# Altium PCB Rev1.1.PcbDoc
Units mm, origin at the board's own origin, x right, y up, seen from the top; angles counter-clockwise.
Board outline 70 x 50 mm, 2 copper layers (Top Layer, Bottom Layer); 47 components, 38 nets, 194 pads, 16 vias.
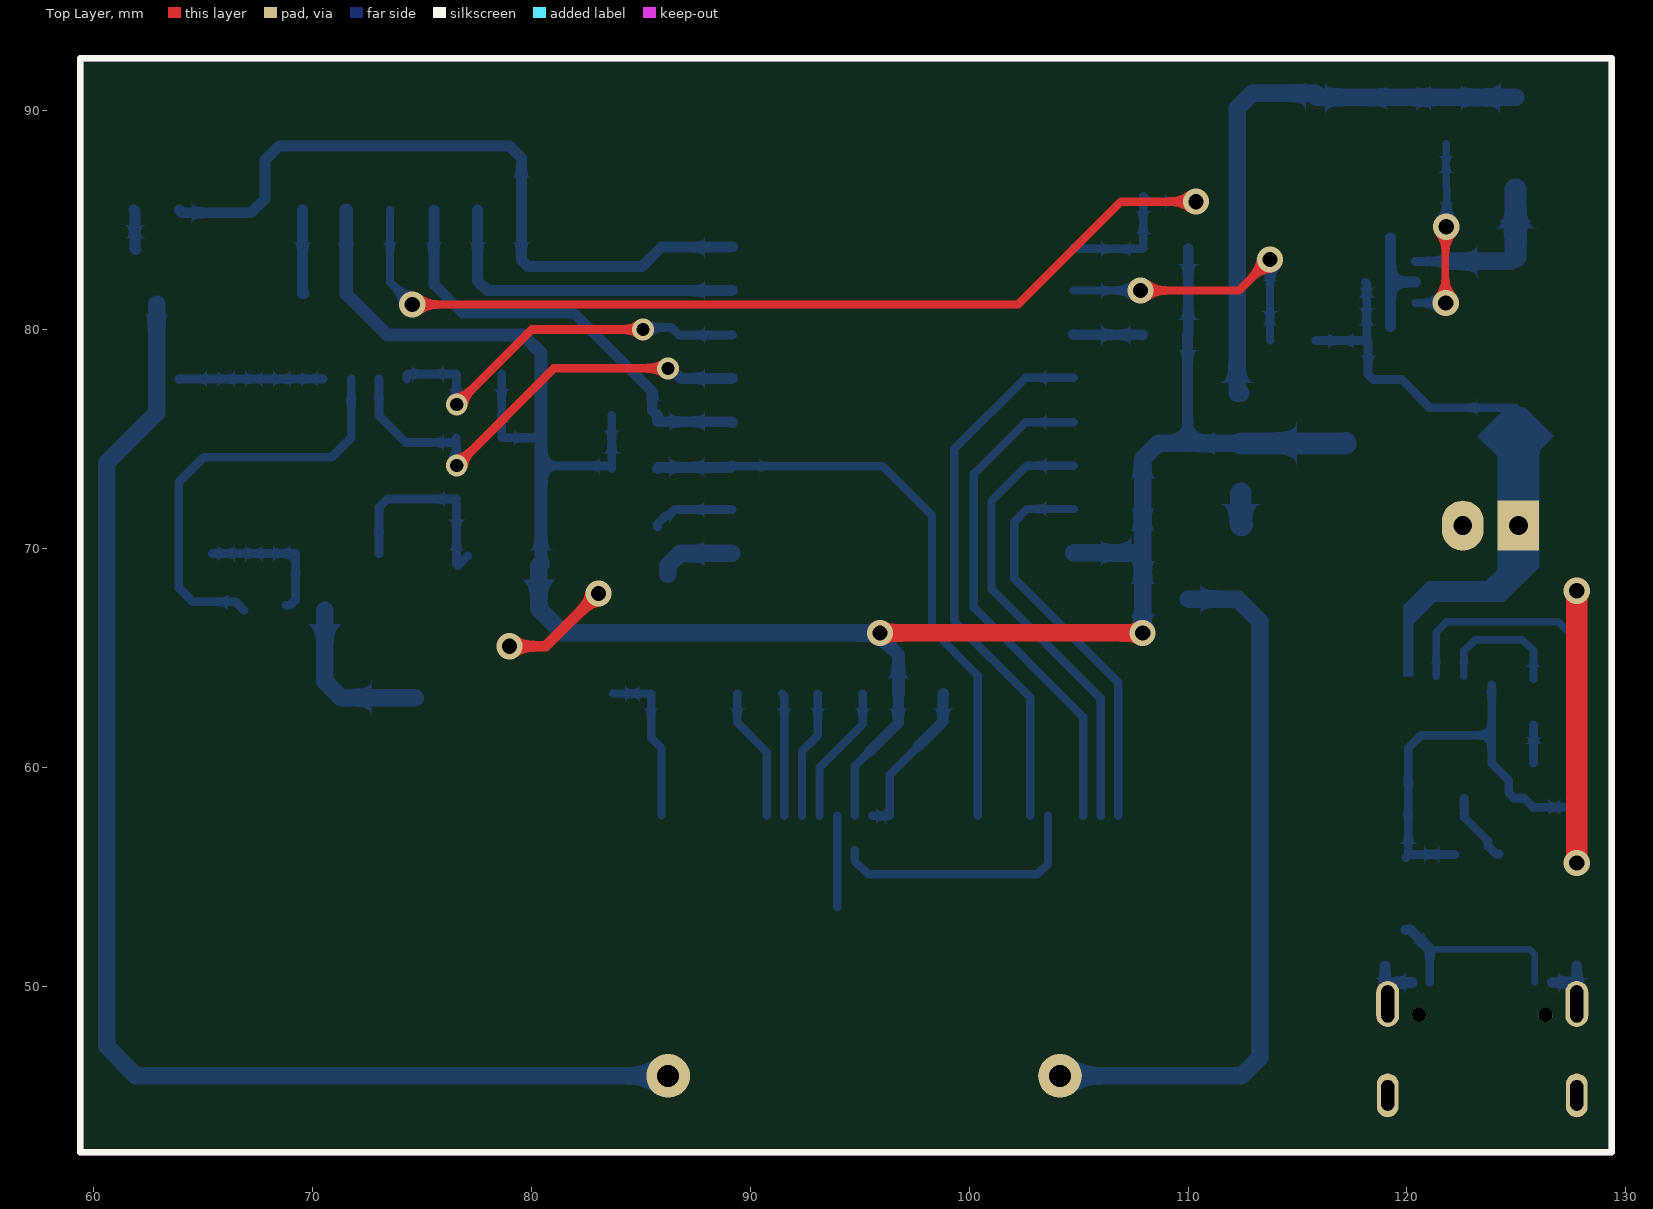
[diagram p0: Top Layer view]
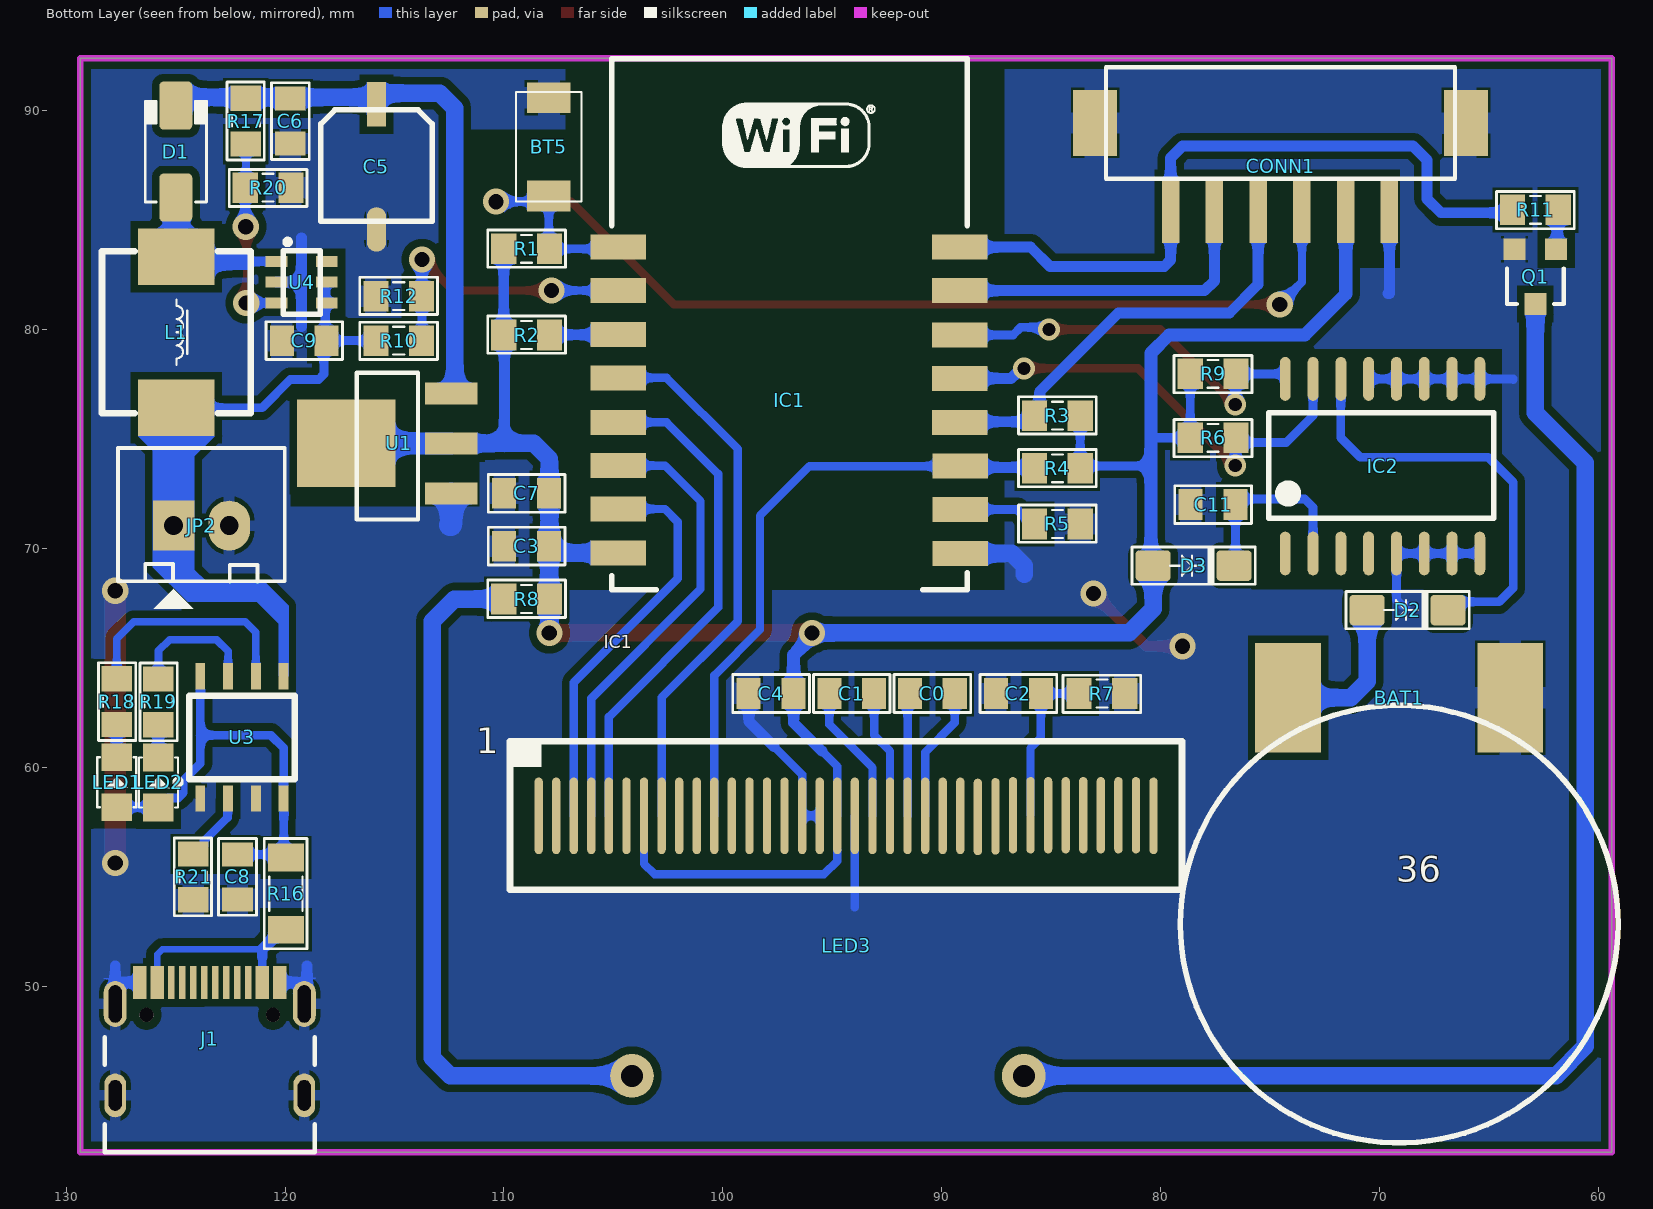
[diagram p1: Bottom Layer view, seen from below]
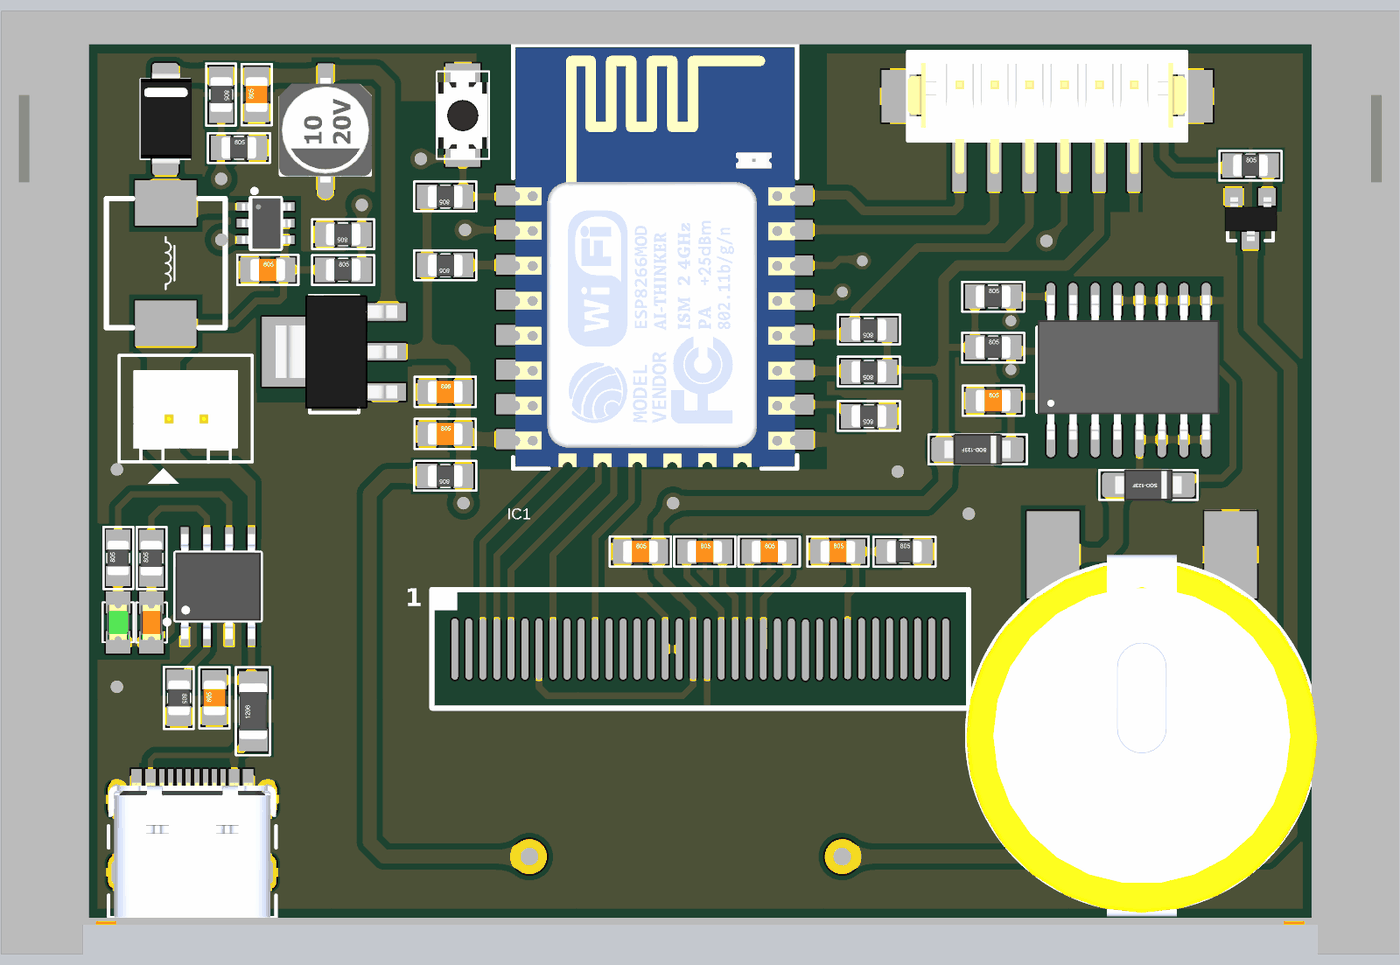
[diagram p2: 3D render of the assembled board from below, using the file's embedded part models]

## Layer stack, top to bottom
Top Solder: solder mask 0.0102, Solder Resist, Dk 3.5
Top Layer: signal copper 0.0356
Dielectric 1: dielectric 0.32, FR-4, Dk 4.8
Bottom Layer: signal copper 0.0356
Bottom Solder: solder mask 0.0102, Solder Resist, Dk 3.5

## Board outline
59.369,42.411 129.369,42.411 129.369,92.411 59.369,92.411

## Design rules (kind name [scope] priority, off if disabled: settings)
Clearance [All] p1: gap=0.35 ignorepadtopadclearanceinfootprint=FALSE
PolygonConnect [All] p1: thpad.connectstyle=Relief thpad.reliefconductorwidth=0.5 thpad.reliefentries=4 thpad.polygonreliefangle="90 Angle" thpad.airgapwidth=0.2 smdpad.connectstyle=Relief smdpad.reliefconductorwidth=1 smdpad.reliefentries=4 smdpad.polygonreliefangle="90 Angle" smdpad.airgapwidth=0.1 via.connectstyle=Direct via.reliefconductorwidth=0.254 via.reliefentries=4 via.polygonreliefangle="90 Angle" via.airgapwidth=0.254
RoutingVias [All] p1: holewidth=0.711 width=1.27 viastyle="Through Hole" minholewidth=0.711 minwidth=1.27 maxholewidth=0.711 maxwidth=1.27
SolderMaskExpansion [All] p1: expansion=0.102 istentingtop=FALSE
Width [All] p1: maxlimit=5 minlimit=0.3 preferedwidth=0.381
30 further rules are at their usual default settings.

## Components (designator, comment, footprint, x,y, rotation, side; value= is the part's Value field where it differs from the comment)
BAT1 "CR2032" CR2032_SMD 69.088,52.832 r270 bottom
BT5 "BUTTON1" "SW-SMD - 3x4x2" 107.95,88.356 r270 bottom value=1N4007
C0 "1uF" CN-SMD-0805 90.424,63.373 r180 bottom value=0,1uF/300V
C1 "1uF" CN-SMD-0805 94.107,63.373 r180 bottom value=0,1uF/300V
C2 "10nF" CN-SMD-0805 86.487,63.373 r180 bottom value=0,1uF/300V
C3 "0.1uF" CN-SMD-0805 108.966,70.104 r180 bottom value=0,1uF/300V
C4 "1uF" CN-SMD-0805 97.79,63.373 r180 bottom value=0,1uF/300V
C5 "10uF" "cap_A_SMD 10uF/16V" 117.729,85.344 r180 bottom
C6 "1uF" CN-SMD-0805 119.761,89.535 r90 bottom value=0,1uF/300V
C7 "1uF" CN-SMD-0805 108.966,72.517 r180 bottom value=0,1uF/300V
C8 "1uF" CN-SMD-0805 122.174,54.991 r90 bottom value=0,1uF/300V
C9 "1uF" CN-SMD-0805 119.126,79.502 r180 bottom value=0,1uF/300V
C11 "0.1uF" CN-SMD-0805 77.597,72.009 r180 bottom value=0,1uF/300V
CONN1 "CONNECTOR 6P" JST-PH2.0_6P 69.533,85.471 r0 bottom
D1 "SS34" DO-214AC(SMA) 124.993,88.138 r90 bottom value=1N4007
D2 "" SOD123 68.707,67.183 r0 bottom value=1N5007
D3 "" SOD123 78.486,69.215 r0 bottom value=1N5007
IC1 "ESP8266 ESP-12-E" "ESP8266 ESP-12-E" 88.189,67.361 r180 bottom
IC2 "DS3231" SO-16 69.85,73.914 r180 bottom
J1 "USB4110-GF-A_REVB" GCT_USB4105-GF-A 123.444,48.184 r180 bottom
JP2 "BAT" CON2 125.095,71.044 r180 bottom value="Connector 2"
L1 "2.2uH" L-SMD-06030-7.4x6.6X3 124.968,79.883 r0 bottom value="150 mH"
LED1 "GREEN" SM-LED-0805-Green 127.693,59.319 r90 bottom
LED2 "RED" SM-LED-0805-Red 125.788,59.309 r90 bottom
LED3 "UC1601_12864" UC1601_LCD 94.369,54.411 r0 top locked
Q1 "C1815" SOT23B 62.865,82.423 r0 bottom
R1 "10k" RES-SMD-0805 108.966,83.693 r0 bottom
R2 "10k" RES-SMD-0805 108.966,79.756 r0 bottom
R3 "10K" RES-SMD-0805 84.709,76.073 r0 bottom
R4 "10K" RES-SMD-0805 84.709,73.66 r0 bottom
R5 "10K" RES-SMD-0805 84.709,71.12 r0 bottom
R6 "3.3K" RES-SMD-0805 77.597,75.057 r180 bottom
R7 "220K" RES-SMD-0805 82.677,63.373 r180 bottom
R8 "10R" RES-SMD-0805 108.966,67.691 r0 bottom
R9 "3.3K" RES-SMD-0805 77.597,77.978 r180 bottom
R10 "10K" RES-SMD-0805 114.808,79.502 r180 bottom
R11 "3.3K" RES-SMD-0805 62.865,85.471 r180 bottom
R12 "1K" RES-SMD-0805 114.808,81.534 r0 bottom
R16 "0.04R" RES-SMD-1206 119.964,54.229 r90 bottom
R17 "1.2K" RES-SMD-0805 121.793,89.535 r270 bottom
R18 "1K" RES-SMD-0805 127.693,63.002 r90 bottom
R19 "1K" RES-SMD-0805 125.788,62.992 r90 bottom
R20 "1.2K" RES-SMD-0805 120.777,86.487 r180 bottom
R21 "1.2K" RES-SMD-0805 124.206,54.991 r270 bottom
U1 "AMS1117-5V/3.3V" SOT-223 114.808,74.803 r90 bottom
U3 "TP4056" SOP-8 121.971,61.366 r90 bottom
U4 "MT3068" SOT23-6 120.396,83.119 r180 bottom

## Footprints (in the part's own frame and the unit in brackets; to place one, negate y for a bottom-side part, rotate by r counter-clockwise, add the part's x,y. Pads: shape width x height; smd on the part's side, far side on the other; paste and mask are expansions set on the pad)
"cap_A_SMD 10uF/16V" [mil]
  rect 35x80 smd: 1(75,195)
  oval 35x80 smd: 2(75,-30)
  silkscreen extent -25,-15 175,185, body extent -29,-33 179,203, height 232
CN-SMD-0805 [mm]
  rect 1.1x1.4 smd: 1(-1.025,0) 2(1.025,0)
  silkscreen extent -1.75,-0.86 1.75,0.86, body extent -1,-0.63 1,0.62, height 0.8
CON2 [mil] "CON2"
  rect 75x90 hole 34: 1(0,0)
  oval 75x90 hole 34: 2(100,0)
  silkscreen extent -100,-150 200,140, body extent -68,-70 168,107, height 236
CR2032_SMD [mm]
  rect 5x3 smd: 1(-10.35,-5.08) 2(-10.35,5.08)
  silkscreen extent -10,-10 10,10, body extent -10.35,-10.05 10.35,10.05, height 6.3
DO-214AC(SMA) [mm]
  round 0.508 on Mech15: 0(0,0)
  rrect25% 2.2x1.5 smd: 1(-2.1,0) 2(2.1,0)
  silkscreen extent -2.3,-1.4 2.3,1.4, body extent -2.61,-1.5 2.67,1.42, height 2.41
"ESP8266 ESP-12-E" [mil] "ESP8266 ESP-12-E"
  rect 100x45 smd: 1(-653,646) 2(-653,568) 3(-653,489) 4(-653,411) 5(-653,331) 6(-653,253) 7(-653,175) 8(-653,96) 15(-38,95) 16(-38,174) 17(-38,252) 18(-39,331) 19(-39,410) 20(-39,488) 21(-39,568) 22(-39,646)
  silkscreen extent -665,30 -25,985, body extent -660,33 -30,979, height 150
GCT_USB4105-GF-A [mm]
  rect 0.6x1.5 smd: A1/B12(-3.2,1.986) A4/B9(-2.4,1.986) B1/A12(3.2,1.986) B4/A9(2.4,1.986)
  rect 0.3x1.5 smd: A5(-1.25,1.986) A6(-0.25,1.986) A7(0.25,1.986) A8(1.25,1.986) B5(1.75,1.986) B6(0.75,1.986) B7(-0.75,1.986) B8(-1.75,1.986)
  oval 1.05x2.1 hole 0.6 slot 1.7 at 90 deg: S1(-4.32,1.005) S4(4.32,1.005)
  oval 1x2 hole 0.6 slot 1.4 at 90 deg: S2(-4.32,-3.175) S3(4.32,-3.175)
  round 0.65 hole 0.65 unplated: ""(-2.89,0.505) ""(2.89,0.505)
  silkscreen extent -4.79,-5.77 4.79,-0.53, body extent -4.79,-5.76 4.79,1.95, height 3.31
JST-PH2.0_6P [mm]
  rect 0.8x3 smd: 1(0,0) 2(2,0) 3(4,0) 4(6,0) 5(8,0) 6(10,0)
  rect 2x3 smd: 7(-3.497,-3.975) 7(13.453,-3.975)
  silkscreen extent -3,-6.53 12.95,-1.42, body extent -3,-6.53 12.95,0.47, height 6.73
L-SMD-06030-7.4x6.6X3 [mm]
  rect 3.5x2.6 smd: 1(0,3.45) 2(0,-3.45)
  silkscreen extent -3.4,-3.7 3.4,3.7, body extent -3.4,-4.1 3.4,4.1, height 3
RES-SMD-0805 [mm]
  rect 1.15x1.397 smd: 1(-1.043,0) 2(1.043,0)
  silkscreen extent -1.78,-0.86 1.78,0.84, body extent -1,-0.62 1,0.63, height 0.8
RES-SMD-1206 [mil]
  rect 50x65 smd: 1(-65,0) 2(65,0)
  silkscreen extent -99,-38 99,39, body extent -63,-31 63,32, height 40
SM-LED-0805-Green [mil]
  rect 50x55 smd: 1(-45,0) 2(45,0)
  silkscreen extent -45,-35 45,35, body extent -40,-25 40,25, height 43
SM-LED-0805-Red [mil]
  rect 50x55 smd: 1(-45,0) 2(45,0)
  silkscreen extent -45,-35 45,35, body extent -40,-25 40,25, height 43
SO-16 [mm]
  oval 0.5x2 smd: 1(-4.445,-4.14) 2(-3.175,-4.14) 3(-1.905,-4.14) 4(-0.635,-4.14) 5(0.635,-4.14) 6(1.905,-4.14) 7(3.175,-4.14) 8(4.445,-4.14) 9(4.445,3.835) 10(3.175,3.835) 11(1.905,3.835) 12(0.635,3.835) 13(-0.635,3.835) 14(-1.905,3.835) 15(-3.175,3.835) 16(-4.445,3.835)
  silkscreen extent -5.21,-2.54 5.08,2.29, body extent -5.21,-4.13 5.21,4.13, height 2.03
SOD123 [mm] "SOD-123; 2 Leads; Body 2.7 x 1.6 mm, (LxW)"
  rrect25% 1.6x1.4 smd: A(1.85,0) K(-1.85,0)
  silkscreen extent -2.82,-0.85 2.82,0.85, body extent -1.9,-0.9 1.9,0.9, height 1.02
SOP-8 [mm]
  rect 1.2x0.45 smd: 1(-2.794,1.905) 2(-2.794,0.635) 3(-2.794,-0.635) 4(-2.794,-1.905) 5(2.794,-1.905) 6(2.794,-0.635) 7(2.794,0.635) 8(2.794,1.905)
  silkscreen extent -2.16,-2.41 1.91,3.05, body extent -3,-2.45 3,2.45, height 1.75
SOT23-6 [mm]
  rect 1x0.5 smd: 1(0,0) 2(0,-0.95) 3(0,-1.9) 4(2.3,-1.9) 5(2.3,-0.95) 6(2.3,0)
  silkscreen extent 0.3,-2.41 2.01,1, body extent -0.2,-2.42 2.59,0.48, height 1.1
SOT23B [mm] "SOT 23B"
  rect 1x1 smd: 1(-0.95,-1.25) 2(0.95,-1.25) 3(0,1.25)
  silkscreen extent -1.3,-0.38 1.3,1.25, body extent -1.52,-1.23 1.48,1.27, height 1.06
SOT-223 [mm]
  rect 1x2.4 smd: 1(-2.286,-2.4) 2(0,-2.4) 3(2.286,-2.4)
  rect 4x4.5 smd: 2(0.014,2.4)
  silkscreen extent -3.48,-0.88 3.22,1.92, body extent -3.25,-3.09 3.25,3.87, height 1.66
"SW-SMD - 3x4x2" [mm] "Switch SMD type"
  rect 1.4x2 smd: 1(-2.25,0) 2(2.25,0)
  silkscreen extent -2.5,-1.5 2.5,1.5, body extent -2.48,-1.48 2.52,1.42, height 2
UC1601_LCD [mm]
  oval 0.38x3.5 smd far side: 3(12.44,3.374) 4(11.638,3.374) 5(10.835,3.374) 6(10.032,3.374) 7(9.229,3.374) 8(8.426,3.374) 11(6.018,3.374) 16(2.003,3.374) 17(1.201,3.374) 18(0.398,3.374) 19(-0.405,3.374) 20(-1.208,3.374) 21(-2.011,3.374) 22(-2.814,3.374) 23(-3.617,3.374) 29(-8.434,3.4) N/C(-14.054,3.374) N/C(-13.251,3.4) N/C(-12.448,3.4) N/C(-11.645,3.4) N/C(-10.842,3.4) N/C(-10.039,3.4) N/C(-9.237,3.4) N/C(-7.631,3.4) N/C(-6.828,3.349) N/C(-6.025,3.324) N/C(-5.222,3.374) N/C(-4.419,3.374) N/C(2.806,3.374) N/C(3.609,3.374) N/C(4.412,3.374) N/C(5.215,3.374) N/C(6.82,3.374) N/C(7.623,3.374) N/C(13.243,3.374) N/C(14.046,3.374)
  round 2 hole 1: A(9.779,-8.509) K(-8.128,-8.509)
  silkscreen extent -35,-12 35,38, body extent -40,-14.1 40,39.9, height 9.1

## Part data
C0 C1 C2 C3 C4 C6 C7 C8 C9 C11: library part "CAP SMD", "CAP SMD", Designed by=VanDungEvn
C5: library part CAP_Radial1, "CAP_Radial1"
D1: library part "Diode  Schottky", "Diode  Schottky"
D2 D3: library part "Diode-1N4007 -A4", "Default Diode", Code - JEDEC=DO-214-AB, Published=8-Jun-2000, Publisher="Altium Limited", Revision="July-2002: Re-released for DXP Platform."
J1: "USB-C (USB TYPE-C) USB 2.0 Receptacle Connector 24 (16+8 Dummy) Position Surface Mount, Right Angle; Through Hole", Package=None, Availability=Warning, Check_prices=https://www.snapeda.com/parts/USB4110-GF-A/Global%20Connector%20Technology/view-part/4001167/?ref=eda, MF=GCT, MP=USB4110-GF-A, Price=None, Purchase-URL=https://pricing.snapeda.com/search/part/USB4110-GF-A/?ref=eda, SnapEDA_Link=https://www.snapeda.com/parts/USB4110-GF-A/Global%20Connector%20Technology/view-part/4001167/?ref=snap
JP2: library part Con2, "Connector 2"
L1: library part inductor-SMD, "inductor-SMD"
LED1 LED2: library part LED-SMD-0805
Q1: "NPN 600mW, ECB,"
R1 R2 R3 R4 R5 R6 R7 R8 R9 R10 R11 R12 R16 R17 R18 R19 R20 R21: library part Res-SMD, "Resistor", Manufacturer="Generic Components", Class=Passive, Published=08/06/2000, Publisher="Altium Hobart Technology Centre"
U1: "IC on ap 5V/3.3V"

## Via types
v1: diameter 1.2, hole 0.7, Top Layer to Bottom Layer, tented both sides, 12 vias
v2: diameter 1, hole 0.6, Top Layer to Bottom Layer, tented both sides, 4 vias

## Nets (pads, with @x,y where several pads share a name; then routed paths per layer and width w, separated by ;. In a path a pad name is that pad's centre, name@x,y a point inside that pad or via, vN(x,y) a via of type N, cw(c..) or ccw(c..) an arc to the next point about the centre after c; other vN are vias at no path point)
+3.3V: C3.2 C4.2 C7.2 CONN1.2 D3.A IC1.8 LED3.7 LED3.18 R1.2 R2.2 R3.1 R4.1 R6.1 R8.1 R9.1 U1.2 | length 115.2
  Top Layer w0.8: v1(95.921,66.14) v1(107.923,66.14)
  Bottom Layer w0.381: LED3.18@94.766,56.226 94.766,55.723 95.371,55.118 103.123,55.118 103.598,55.593 LED3.7 ; LED3.18 94.766,60.04 95.475,60.748
  Bottom Layer w0.4: R9.1 R6.1 80.434,75.057 80.434,75.033 ; 80.434,73.772 83.554,73.772 R4.1 R3.1
  Bottom Layer w0.5: 95.475,60.748 96.765,62.038 C4.2 ; 109.982,74.803 109.982,79.729 R2.2 R1.2
  Bottom Layer w0.6: CONN1.2 71.533,81.629 73.406,79.756 79.609,79.756 80.434,78.93 80.434,75.057 ; D3.A@80.434,69.314 80.434,73.772 80.434,75.033 ; v1(95.921,66.14) 95.921,65.978 96.765,65.134 C4.2
  Bottom Layer w0.8: D3.A@80.434,69.314 D3.A 80.336,67.238 81.434,66.14 v1(95.921,66.14) ; IC1.8 107.636,69.799 107.641,69.804 107.791,69.804 C3.2@107.932,69.945 ; v1(107.923,66.14) R8.1 107.932,67.7 C3.2@107.932,69.945 ; U1.2@112.408,74.803 109.982,74.803 108.636,74.803 107.925,74.092 107.925,70.12 C3.2 107.941,69.954 C3.2@107.932,69.945
  Bottom Layer w1: U1.2@112.408,74.803 117.194,74.803 U1.2@117.208,74.817
+5V: J1.A4/B9 J1.B4/A9 R16.1 | length 9.1
  Bottom Layer w0.3: 121.044,51.689 125.603,51.689 125.844,51.448 J1.A4/B9
  Bottom Layer w0.381: J1.B4/A9 121.044,51.328
  Bottom Layer w0.5: R16.1 120.155,52.578 121.044,51.689 121.044,51.328
ADC_BAT: IC1.2 R10.2 R12.1 | length 13.4
  Top Layer w0.381: v1(107.83,81.788) 112.319,81.788 v1(113.741,83.21)
  Bottom Layer w0.381: IC1.2 v1(107.83,81.788) v1@107.975,81.788 ; v1(113.741,83.21) 113.741,79.526 R10.2
BOOT: CONN1.4 IC1.18 R3.2 | length 20.3
  Bottom Layer w0.5: CONN1.4 75.533,82.074 76.835,80.772 81.915,80.772 85.516,77.171 85.516,76.309 R3.2 85.752,75.819 85.777,75.794 89.154,75.794 IC1.18
CLK: IC1.4 LED3.8 | length 25
  Bottom Layer w0.381: LED3.8 102.795,63.194 99.314,66.675 99.314,74.549 102.565,77.8 IC1.4
CS: IC1.7 LED3.3 | length 18.4
  Bottom Layer w0.381: IC1.7 102.641,71.806 102.057,71.222 102.057,68.631 106.809,63.879 LED3.3
DAT: IC1.17 LED3.11 R4.2 | length 28.1
  Bottom Layer w0.381: IC1.17 96.037,73.762 98.298,71.501 98.298,66.294 100.386,64.206 LED3.11
  Bottom Layer w0.5: R4.2 85.803,73.711 89.103,73.711 IC1.17
DC: IC1.5 LED3.5 | length 23.2
  Bottom Layer w0.381: IC1.5 102.565,75.768 100.208,73.411 100.208,67.305 105.204,62.309 LED3.5
GND: BAT1.2 BT5.1 C2.1 C3.1 C4.1 C5.2 C6.1 C7.1 C8.1 C9.1 C11.1 CONN1.1 CONN1.7 IC1.15 IC2.5 IC2.6 IC2.7 IC2.8 IC2.9 IC2.10 IC2.11 IC2.12 IC2.13 J1.A1/B12 J1.B1/A12 J1.S1 J1.S2 J1.S3 J1.S4 JP2.2 LED3.16 LED3.17 LED3.19 Q1.2 R5.1 R7.2 R12.2 R20.2 R21.2 U1.1 U3.1 U3.3 U4.2 | length 60.2
  Top Layer w0.5: v1(78.994,65.532) 80.645,65.532 v1(83.058,67.945)
  Top Layer w1: v1(127.762,55.626) v1(127.762,68.072)
  Bottom Layer w0.381: LED3.19 93.964,53.61 93.98,53.594 ; LED3.17 LED3.16 96.372,59.669 97.663,60.96
  Bottom Layer w0.4: 63.881,77.724 63.881,77.749 IC2.9 IC2.10 IC2.11 IC2.12 IC2.13 ; IC2.8 IC2.7 IC2.6 IC2.5 69.215,68.016 69.207,68.008 69.207,67.646 68.973,67.412 68.783,67.412
  Bottom Layer w0.5: CONN1.1 69.533,81.661 69.596,81.661 ; 97.663,60.96 98.804,62.101 98.804,63.361 C4.1 ; 118.999,50.927 118.999,50.17 J1.B1/A12 ; 119.253,80.137 119.253,82.169 ; 119.253,84.201 119.253,82.169 ; U4.2 119.253,82.169 ; J1.A1/B12 127.762,50.17 127.762,50.927
  Bottom Layer w0.8: 86.233,68.834 86.233,69.211 86.796,69.774 IC1.15
  Bottom Layer w1: U1.1 112.408,71.076 112.475,71.076
LED_PWM: CONN1.6 IC1.22 R11.1 | length 33
  Bottom Layer w0.5: R11.1 64.035,85.344 67.183,85.344 67.818,85.979 67.818,87.757 68.453,88.392 78.994,88.392 79.533,87.853 CONN1.6 79.533,83.176 79.826,82.883 85.042,82.883 85.928,83.769 IC1.22
LED_SCR: LED3.K Q1.3 | length 61.1
  Bottom Layer w0.8: Q1.3 62.865,76.2 60.579,73.914 60.579,47.244 61.921,45.902 LED3.K
NetBAT1_1: BAT1.1 D2.A | length 7.7
  Bottom Layer w0.8: D2.A 70.557,63.936 71.311,63.182 BAT1.1@74.676,63.182
NetC0_1: C0.1 LED3.22 | length 5.6
  Bottom Layer w0.381: C0.1 91.555,63.268 LED3.22
NetC0_2: C0.2 LED3.23 | length 6.1
  Bottom Layer w0.381: C0.2 89.399,62.039 90.752,60.685 LED3.23
NetC1_1: C1.1 LED3.20 | length 6.4
  Bottom Layer w0.381: LED3.20 93.161,59.984 95.132,61.956 C1.1
NetC1_2: C1.2 LED3.21 | length 5.9
  Bottom Layer w0.381: LED3.21 92.358,60.742 93.082,61.466 C1.2
NetC2_2: C2.2 LED3.29 R7.1 | length 7.5
  Bottom Layer w0.381: R7.1 C2.2 85.462,61.353 85.935,60.88 LED3.29
NetC5_1: C5.1 C6.2 D1.2 R17.1 U1.3 | length 26.1
  Bottom Layer w0.8: U1.3 112.243,77.089 112.243,90.119 112.928,90.805 C5.1@115.824,90.805 ; C5.1@115.88,90.619 D1.2@124.968,90.619
NetC8_2: C8.2 LED1.1 LED2.1 R16.2 U3.4 U3.8 | length 19.8
  Bottom Layer w0.4: R16.2 R16.2@120.066,55.982 ; C8.2 120.101,56.016 R16.2@120.066,55.982 ; U3.8@123.876,63.779 123.876,61.468 ; LED1.1 125.788,58.176 LED2.1 125.353,58.601 124.885,58.601 124.651,58.835 124.651,59.4 123.876,60.175 123.876,61.468 ; R16.2@120.066,55.982 U3.4 120.066,60.884 120.65,61.468 123.876,61.468
NetC11_2: C11.2 D3.K IC2.2 | length 9.3
  Bottom Layer w0.4: IC2.2@73.011,69.76 IC2.2 73.025,71.882 73.406,72.263 C11.2@76.572,72.263 ; C11.2 76.572,69.279 D3.K D3.K@77.075,69.654
NetD1_A: D1.1 L1.2 U4.1 | length 7.7
  Bottom Layer w0.4: U4.1 121.799,83.119
  Bottom Layer w0.8: 121.799,83.119 124.754,83.119 L1.2
  Bottom Layer w1: L1.2 D1.1@124.968,86.419
NetD2_K: D2.K IC2.14 | length 19.6
  Bottom Layer w0.4: D2.K 66.476,67.564 64.516,67.564 63.881,68.199 63.881,73.025 65.024,74.168 70.866,74.168 71.755,75.057 IC2.14
NetIC1_3: IC1.3 R2.1 | length 3.2
  Bottom Layer w0.5: IC1.3 104.788,79.769 107.91,79.769 R2.1
NetIC1_16: IC1.16 R5.2 | length 3.8
  Bottom Layer w0.4: R5.2@85.752,70.993 85.752,71.116 86.127,71.492 86.25,71.492 86.539,71.78 IC1.16
NetLED1_2: LED1.2 R18.1 | length 1.8
  Bottom Layer w0.4: LED1.2@127.693,60.208 R18.1
NetLED2_2: LED2.2 R19.1 | length 1.8
  Bottom Layer w0.4: LED2.2@125.788,60.198 R19.1
NetLED3_A: LED3.A R8.2 | length 33.1
  Bottom Layer w0.8: LED3.A 112.45,45.902 113.284,46.736 113.284,66.675 112.268,67.691 R8.2
NetQ1_3: Q1.1 R11.2 | length 1.8
  Bottom Layer w0.5: R11.2 61.869,85.425 61.869,83.719 Q1.1
NetR17_2: R17.2 R20.1 U4.3 | length 8.4
  Top Layer w0.35: v1@121.727,81.219 121.76,81.252 121.76,84.676 v1(121.793,84.709)
  Bottom Layer w0.35: U4.3 v1@121.727,81.219 ; R17.2 121.793,86.514 R20.1 v1@121.82,84.99
  other v1: 121.778,81.219
NetR18_2: R18.2 U3.6 | length 10.7
  Bottom Layer w0.35: U3.6 121.336,66.167 121.818,66.65 126.924,66.65 127.693,65.88 R18.2
NetR19_2: R19.2 U3.7 | length 6
  Bottom Layer w0.35: U3.7 122.606,65.308 123.135,65.837 125.273,65.837 125.788,65.321 R19.2
NetR21_1: R21.1 U3.2 | length 3.7
  Bottom Layer w0.4: U3.2@122.606,58.166 U3.2 122.631,58.547 122.631,57.709 123.707,56.633 123.707,56.409 124.083,56.034 R21.1 R21.1@124.219,56.047
nRST: BT5.2 CONN1.3 IC1.1 R1.1 | length 50.6
  Top Layer w0.381: v1(74.549,81.153) 102.235,81.153 106.934,85.852 v1(110.363,85.852)
  Bottom Layer w0.381: CONN1.3 73.533,82.169 v1(74.549,81.153) ; IC1.1 104.851,83.693 R1.1 107.95,83.72 BT5.2 108.204,85.852 v1(110.363,85.852)
RST: IC1.6 LED3.4 | length 20.9
  Bottom Layer w0.381: IC1.6 102.641,73.787 101.016,72.161 101.016,68.148 106.006,63.158 LED3.4
Rx: CONN1.5 IC1.21 | length 15.1
  Bottom Layer w0.5: CONN1.5 77.533,82.233 77.978,81.788 IC1.21
SCL: IC1.20 IC2.16 R9.2 | length 18.1
  Top Layer w0.4: v2(76.581,76.581) 80.01,80.01 v2(85.09,80.01)
  Bottom Layer w0.4: IC2.16 74.295,77.932 74.341,77.978 R9.2 76.568,77.965 76.568,76.594 v2(76.581,76.581) ; v2(85.09,80.01) 85.187,80.107 86.39,80.107 86.741,79.756 IC1.20
SDA: IC1.19 IC2.15 R6.2 | length 21.2
  Top Layer w0.4: v2(76.581,73.787) 81.026,78.232 v2(86.233,78.232)
  Bottom Layer w0.4: IC2.15 73.025,76.073 74.252,74.846 R6.2@76.514,74.846 ; R6.2 76.56,75.051 v2@76.56,74.193
  Bottom Layer w0.5: v2(86.233,78.232) 86.368,78.232 86.826,77.775 IC1.19
VBat: C9.2 JP2.1 L1.1 R10.1 U3.5 U4.4 U4.5 | length 14
  Bottom Layer w0.4: R10.1 C9.2@118.228,79.502 ; U4.5 118.112,82.169 118.162,82.119 118.162,81.219 118.162,79.568 C9.2@118.228,79.502 ; L1.1 121.052,76.433 119.761,77.724 118.462,77.724 118.228,77.958 C9.2@118.228,79.502
pads on no net: D1.0 IC2.1 IC2.3 IC2.4 J1. J1.A5 J1.A6 J1.A7 J1.A8 J1.B5 J1.B6 J1.B7 J1.B8 LED3.6 LED3.N/C U4.6

## Polygon pours and split planes (outlines as drawn)
GND on Bottom Layer "GND_L02_P000" (solid, remove dead copper, pour order 0): 129.369,92.411 129.369,42.411 59.369,42.411 59.369,92.411

## Keep-outs
Keep-Out Layer:
  the board outline again, w0.3

## Other copper
Bottom Layer:
  pour cut-out: 111.506,89.154 107.188,89.154 107.188,87.757 111.506,87.757
  pour cut-out: 117.201,80.552 117.201,78.454 112.999,78.454 112.999,80.552
  pour cut-out: 121.225,83.719 121.225,80.619 117.221,80.619 117.221,83.719
  pour cut-out: 79.215,75.755 79.215,74.358 75.979,74.358 75.979,75.755
  pour cut-out: 86.677,74.708 86.677,72.612 82.741,72.612 82.741,74.708
  pour cut-out: 80.283,87.321 80.283,82.804 69.033,82.804 69.033,87.321
  pour cut-out: 110.934,68.739 110.934,66.643 106.998,66.643 106.998,68.739
  pour cut-out: 119.761,78.285 119.761,71.917 111.108,71.917 111.108,78.285
  pour cut-out: 75.819,79.121 75.819,68.125 64.389,68.125 64.389,79.121
  pour cut-out: 107.188,92.38 87.122,92.38 87.122,68.085 107.188,68.085
  pour cut-out: 109.728,61.341 109.728,54.411 78.887,54.411 78.887,61.341
  region net VBat: 120.291,64.16 120.291,66.57 121.285,67.564 124.46,67.564 126.047,69.151 126.047,74.462 126.718,75.133 125.418,76.433 124.518,76.433 123.218,75.133 124.142,74.208 124.142,69.037 123.609,68.504 120.955,68.504 119.841,67.39 119.841,64.16

## Text inside footprints (layer, text, board x,y; h text height)
IC1: Mechanical 13 "CUTOUT POLYGON" at 104.774,91.252 h0.25; Mechanical 13 "ANTENNA AREA" at 104.774,91.76 h0.25
LED3: Bottom Overlay "36" at 69.215,54.373 h2; Bottom Overlay "1" at 111.26,60.253 h2